# Allegro board PCIE_FIBER_BOARD-1116.brd (continued)
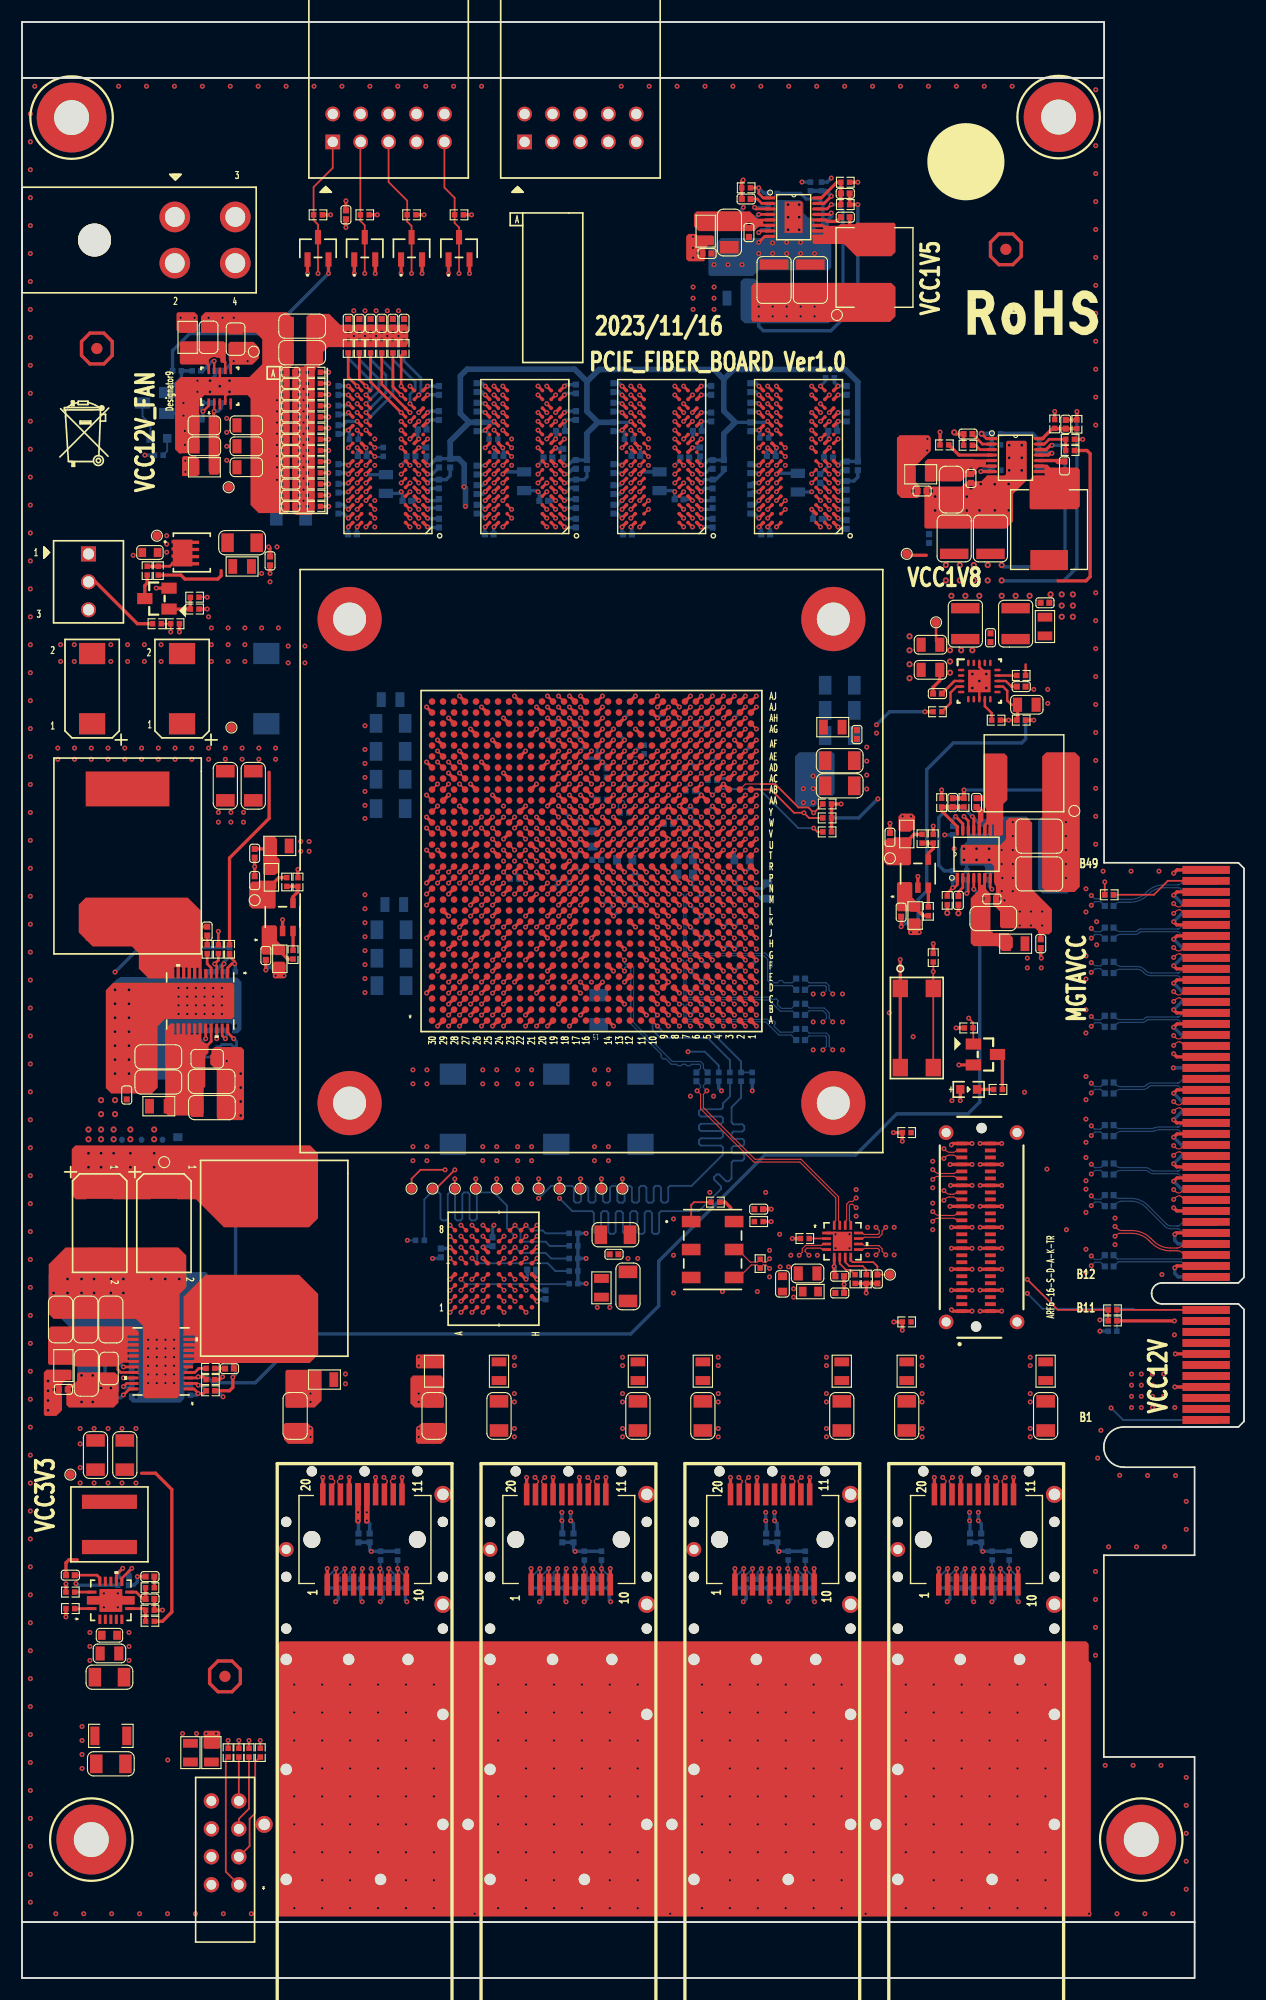
[diagram p0: board, top side]
## Copper pours and planes (outline as drawn; the poured copper is in the pictures) (continued)
GND on ART10: 0.51,172.21 97.92,172.21 97.92,100.86 110.43,100.86 110.64,100.65 110.64,63.9 110.43,63.69 103.68,63.69 102.66,63.27 102.23,62.24 102.23,62.22 102.66,61.19 103.68,60.77 110.43,60.77 110.64,60.56 110.64,50.81 110.43,50.6 100.23,50.6 97.89,48.26 100.23,45.92 106.15,45.92 106.15,38.94 97.89,38.94 97.89,19.58 106.15,19.58 106.15,5.59 0.51,5.59 ; 1 cut-out
VCC1V5 on TOP (solid shape): 16.08,138.09 16.08,136.65 15.96,136.53 14.61,136.53 14.56,136.57 14.56,138.22 14.69,138.34 15.83,138.34
VCC1V5 on TOP (solid shape): 79.46,153.71 79.46,151.04 78.95,150.53 67.04,150.53 67.02,150.55 66.49,150.55 66.37,150.66 66.37,153.84 66.63,154.09 79.07,154.09
VCC1V5 on BOTTOM (solid shape): 67.52,153.58 73.23,153.58 73.61,153.2 73.61,150.66 73.36,150.41 65.74,150.41 65.36,150.79 65.36,154.22 65.61,154.47 66.63,154.47
VCC1V5 on ART10: 13.34,154.43 72.14,154.43 74.55,152.02 74.55,149 73.5,147.96 20.19,147.96 16,143.76 16,136.78 15.24,136.02 11.68,136.02 11.68,152.78
VCC1V5_FPGA on BOTTOM: 61.37,117.8 61.37,115.39 62.01,114.75 62.89,114.75 63.02,114.63 63.02,111.83 63.15,111.7 64.16,111.7 65.18,112.72 70.31,112.72 70.98,112.05 73.87,112.05 74.12,112.31 74.12,118.15 73.74,118.53 62.1,118.53
VCC1V5_FPGA on BOTTOM: 64.6,153.84 64.6,150.79 64.34,150.53 60.66,150.53 60.28,150.91 60.28,153.58 60.79,154.09 64.34,154.09
VCC1V5_FPGA on POWR06: 28.93,154.05 77.87,154.05 82.04,149.88 82.04,109.07 79.14,106.17 69.22,106.17 69.09,106.14 69,106.05 47.46,106.05 47.37,106.14 47.24,106.17 44.56,106.17 36.83,113.9 36.83,121.67 36.81,121.76 36.76,121.85 24.77,133.84 24.77,149.88
VCC1V5_MGT on TOP (solid shape): 96.21,110.98 96.21,99.19 95.74,98.72 93.17,98.72 92.79,99.1 92.79,111.04 93.17,111.42 95.78,111.42
VCC1V5_MGT on BOTTOM (solid shape): 95.33,105.45 95.33,98.84 95.08,98.59 92.79,98.59 92.41,98.97 92.41,105.19 92.79,105.58 95.2,105.58
VCC1V5_MGT on TOP: 93.17,124.47 93.02,124.32 92.44,124.32 92.28,124.17 92.28,123.33 92.36,123.25 95.44,123.25 95.89,123.7 95.89,125.86 95.63,126.11 93.34,126.11 93.17,125.94 ; 1 cut-out
VCC1V5_MGT on ART08: 90.93,98.42 96.14,98.42 97.28,99.57 97.28,125.48 96.27,126.49 87.12,126.49 85.22,124.59 85.22,104.14
VCC1V8 on TOP: 51.44,68.45 53.09,68.45 53.72,67.82 53.72,63.12 53.47,62.86 51.31,62.86 51.05,63.12 51.05,68.07
VCC1V8 on TOP: 74.3,114.81 77.85,114.81 78.11,114.55 78.11,113.16 77.98,113.03 74.3,113.03 74.17,113.16 74.17,114.68
VCC1V8 on TOP: 81.36,127.04 81.74,126.66 89.32,126.66 89.41,126.75 94.44,126.75 95.2,127.51 95.2,130.09 94.48,130.81 81.79,130.81 81.36,130.38
VCC1V8 on BOTTOM: 40.85,119.55 75.01,119.55 80.6,125.13 88.73,125.13 89.36,125.77 89.36,129.58 89.34,129.6 89.34,129.99 88.65,130.68 81.15,130.68 81.11,130.72 77.17,130.72 76.79,130.34 76.15,130.34 76.03,130.47 43.01,130.47 40.55,128.02 33.78,128.02 31.24,125.48 31.24,115.7 31.5,115.44 33.15,115.44 33.4,115.7 33.4,117.86 35.11,119.57 40.83,119.57
VCC1V8 on ART05: 26.42,170.05 85.6,170.05 94.61,161.04 94.61,91.04 75.21,71.63 66.27,71.63 57.43,62.79 50.37,62.79 50.16,62.99 50.16,79.25 57.81,86.89 65.05,86.89 77.47,99.31 77.47,115.82 79.38,117.73 79.38,121.41 83.06,125.09 83.06,146.05 75.31,153.8 24.77,153.8 24.26,154.31 24.26,167.89
VCC1V8_FPGA on BOTTOM: 33.99,115.57 33.99,116.92 34.67,117.6 47.12,117.6 47.3,117.42 47.3,112.28 48.16,111.42 48.16,100.61 47.5,99.95 46.1,99.95 45.21,100.84 43.31,100.84 43.05,100.58 43.05,99.82 43.56,99.31 44.7,99.31 45.09,98.93 45.09,95.25 44.2,94.36 39.88,94.36 38.48,95.76 38.48,97.54 34.32,101.7 34.32,115.24
VCC1V8_FPGA on ART03: 58.5,108.5 58.5,107.99 56.6,106.08 49.6,106.08 49.34,106.34 49.34,110.53 48.71,111.16 43.56,111.16 43.56,111 42.42,109.86 42.42,105.96 43.05,105.32 46.42,105.32 46.47,105.27 47.79,105.27 48.3,104.75 48.3,102.91 48.93,102.27 50.5,102.27 51.01,101.77 58.67,101.77 59.31,102.4 59.31,103.76 60.58,105.03 61.04,105.03 61.29,105.28 61.29,107.35 61.93,107.99 61.93,108.07 61.23,108.76 61.23,108.84 60.94,109.13 59.14,109.13
VCC2V5 on TOP (solid shape): 23.19,103.54 23.19,101.91 23.45,101.66 23.45,100.43 23.36,100.43 23.2,100.4 23.07,100.31 23.02,100.26 22.05,100.26 21.92,100.39 21.92,103.61 22.1,103.78 22.67,103.78 22.69,103.8 22.94,103.8
VCC3V3 on TOP (solid shape): 15.98,151.14 15.98,149.8 15.73,149.54 14.3,149.54 14.05,149.8 14.05,151.3 14.18,151.42 15.7,151.42
VCC3V3 on TOP (solid shape): 38.37,56.55 38.37,55.54 38.24,55.41 35.96,55.41 35.83,55.54 35.83,56.55 35.96,56.68 38.24,56.68
VCC3V3 on TOP (solid shape): 23.96,92.26 23.96,90.99 23.83,90.86 22.94,90.86 22.81,90.99 22.81,92.26 22.94,92.39 23.83,92.39
VCC3V3 on TOP (solid shape): 81.74,96.2 81.74,94.93 81.61,94.8 80.73,94.8 80.6,94.93 80.6,96.2 80.73,96.32 81.61,96.32
VCC3V3 on TOP: 61.17,56.68 63.45,56.68 63.58,56.55 63.58,55.54 63.45,55.41 61.17,55.41 61.04,55.54 61.04,56.55
VCC3V3 on TOP: 68.79,62.9 71.33,62.9 71.45,62.78 71.45,61.89 71.07,61.51 68.91,61.51 68.66,61.76 68.66,62.78
VCC3V3 on TOP: 75.33,56.68 73.04,56.68 72.91,56.55 72.91,55.54 73.04,55.41 75.33,55.41 75.45,55.54 75.45,56.55
VCC3V3 on TOP: 79.71,56.68 81.99,56.68 82.12,56.55 82.12,55.54 81.99,55.41 79.71,55.41 79.58,55.54 79.58,56.55
VCC3V3 on TOP: 27.89,55.28 29.67,55.28 29.8,55.16 29.8,53.51 29.67,53.38 28.02,53.38 27.77,53.63 27.77,55.16
VCC3V3 on TOP: 14.35,20.83 16,20.83 16.26,21.08 16.26,22.35 16.13,22.48 14.35,22.48 14.22,22.35 14.22,20.95
VCC3V3 on TOP: 56.78,56.68 54.5,56.68 54.37,56.55 54.37,55.54 54.5,55.41 56.78,55.41 56.91,55.54 56.91,56.55
VCC3V3 on TOP: 93.87,56.68 91.58,56.68 91.45,56.55 91.45,55.54 91.58,55.41 93.87,55.41 93.99,55.54 93.99,56.55
VCC3V3 on TOP: 4.14,42.71 4.14,46.65 4.53,47.03 10.49,47.03 11.13,46.39 11.13,42.84 10.62,42.33 4.53,42.33
VCC3V3 on TOP: 42.63,56.68 44.91,56.68 45.04,56.55 45.04,55.54 44.91,55.41 42.63,55.41 42.5,55.54 42.5,56.55
VCC3V3 on BOTTOM: 80.26,95.25 84.71,95.25 86.49,93.47 86.49,80.14 85.72,79.38 80.39,79.38 79.76,80.01 79.76,94.74
VCC3V3 on BOTTOM: 30.94,96.69 30.81,96.81 30.81,98.59 31.07,98.84 33.1,98.84 33.48,98.46 33.48,96.94 33.23,96.69
VCC3V3 on ART05: 67.06,69.85 72.52,69.85 83.69,81.03 95.63,81.03 98.3,78.36 98.3,52.96 96.01,50.67 96.01,36.07 90.42,30.48 26.92,30.48 17.53,21.08 11.56,21.08 3.94,28.7 3.94,146.81 9.4,152.27 17.53,152.27 20.57,149.23 20.57,105.03 26.29,99.31 30.99,99.31 31.75,98.55 31.75,62.36 37.47,56.64 53.85,56.64 ; 1 cut-out
VCC3V3_C_BUF1 on TOP: 71.96,61.89 74.12,61.89 74.25,62.01 74.25,64.68 73.99,64.94 71.96,64.94 71.71,64.68 71.71,62.14
VCC3V3_FPGA on BOTTOM: 34.24,98.21 34.37,98.34 35.39,98.34 35.43,98.3 37.21,98.3 38.23,97.28 38.23,95.5 39.62,94.11 45.47,94.11 46.35,95 46.48,95 46.48,95.76 47.81,97.09 50.25,97.09 51.23,96.11 51.23,86.17 50.65,85.6 35.31,85.6 34.24,86.66
VCC3V3_FPGA on ART05: 37.47,115.95 47.5,115.95 49.78,113.66 49.78,93.34 48.9,92.46 44.7,92.46 41.78,95.38 41.78,104.01 36.58,109.22 36.58,115.06
VCC12V_FAN on TOP: 13.92,129.07 13.8,128.95 12.01,128.95 11.89,129.06 11.89,131.36 12.02,131.48 14.05,131.48 14.3,131.23 14.3,129.2 14.18,129.07
VCC12V_FAN on ART10: 5.46,131.95 12.83,131.95 13.46,131.32 13.46,128.52 12.83,127.89 5.84,127.89 5.21,128.52 5.21,131.7
VCC12V_IN on TOP (solid shape): 82.66,140.03 82.66,138.82 81.23,137.4 81.23,136.06 81.67,135.62 81.67,134.71 81.49,134.53 79.96,134.53 79.58,134.91 79.58,135.01 81.41,135.01 81.41,135.32 80.9,135.32 80.9,135.01 79.58,135.01 79.58,139.99 79.83,140.24 82.46,140.24
VCC12V_IN on TOP (solid shape): 61.42,158.41 62.82,158.41 62.95,158.28 62.95,157.57 62.87,157.49 62.39,157.49 62.23,157.34 62.23,157.29 62.11,157.16 62.11,156.15 62.01,156.05 60.61,156.05 60.41,156.25 60.41,156.66 61.88,156.66 61.88,156.96 61.37,156.96 61.37,156.66 60.41,156.66 60.41,158.33 60.61,158.54 61.29,158.54
VCC12V_IN on TOP (solid shape): 4.51,55.22 4.51,54.42 4.41,54.32 4.07,54.32 4.05,54.31 3.93,54.31 3.64,54.02 3.64,53.97 3.62,53.94 3.6,53.9 3.59,53.85 3.58,53.81 3.58,53.79 3.58,53.23 3.58,53.2 3.59,53.15 3.6,53.1 3.63,53.06 3.64,53.04 3.64,51.61 3.13,51.09 2.11,51.09 1.99,51.22 1.99,53.33 3.31,53.33 3.31,53.63 2.8,53.63 2.8,53.33 1.99,53.33 1.99,55.05 2.24,55.3 4.42,55.3
VCC12V_IN on TOP: 91.95,94.78 90.94,94.78 90.81,94.65 90.81,92.59 90.81,92.58 90.81,92.08 91.32,91.56 92.71,91.56 93.1,91.95 93.1,92.83 92.96,92.96 92.33,92.96 92.08,93.21 92.08,94.65
VCC12V_IN on TOP: 12.19,79.88 12.19,78.49 11.81,78.11 7.24,78.11 6.86,78.49 6.86,79.76 7.24,80.14 11.94,80.14
VCC12V_IN on TOP: 109.86,53.03 109.86,52.59 109.65,52.37 105.58,52.37 105.54,52.34 105.54,52.11 105.56,52.09 109.82,52.09 109.86,52.04 109.86,51.42 109.81,51.37 105.56,51.37 105.53,51.34 105.53,51.13 105.56,51.09 109.83,51.09 109.86,51.06 109.86,50.69 109.77,50.6 100.66,50.6 100.54,50.72 100.54,53 100.54,53 100.54,55.08 100.84,55.37 103.89,55.37 104.27,54.99 104.27,53.34 104.48,53.12 109.76,53.12
VCC12V_IN on TOP: 7.95,26.71 7.95,32.93 8.08,33.06 9.48,33.06 9.99,32.55 9.99,26.58 9.73,26.33 8.34,26.33
VCC12V_IN on TOP: 20.27,128.94 20.53,129.2 21.8,129.2 22.05,128.94 22.05,128.05 22.18,127.93 23.19,127.93 23.32,127.8 23.32,126.83 23.11,126.62 20.57,126.62 20.27,126.92
VCC12V_IN on BOTTOM: 100.84,55.37 103.89,55.37 104.27,54.99 104.27,53.34 104.52,53.09 109.73,53.09 109.86,52.96 109.22,52.32 105.54,52.32 105.54,52.07 109.73,52.07 109.86,51.94 109.86,51.43 109.73,51.31 100.58,51.31 100.46,51.43 100.46,54.99
VCC12V_IN on ART03: 9.45,170.4 90.04,170.4 96.9,163.53 96.9,100.97 102.11,95.76 102.13,95.76 102.13,60.67 102.99,59.8 107.88,59.8 109.13,58.55 109.13,51.55 108.17,50.6 100.23,50.6 99.76,50.55 99.32,50.41 95.55,50.41 92.67,53.29 92.67,86.93 81.53,98.07 81.53,106.68 80.64,107.57 80.54,107.57 80.54,132.42 77.77,135.19 77.77,146.63 69.8,154.6 30.58,154.6 23.72,147.74 23.72,126.32 19.1,121.7 19.1,35.53 11.8,28.23 4.32,28.23 1.68,30.87 1.68,162.63 ; 7 cut-outs
VCC_2V5_FPGA on TOP: 23.75,103.63 26.54,103.63 26.67,103.5 26.67,102.11 26.42,101.85 23.88,101.85 23.62,102.11 23.62,103.5
VCC_2V5_FPGA on BOTTOM: 52.07,96.14 56.52,96.14 57.28,95.38 57.15,95.25 57.15,90.68 57.91,89.92 57.91,89.28 57.78,89.15 56.52,89.15 56.13,89.53 56.13,92.46 55.63,92.96 54.48,92.96 54.1,92.58 54.1,91.19 55.12,90.17 55.12,88.39 54.61,87.88 54.1,87.88 53.34,88.65 51.56,88.65 51.44,88.77 51.44,95.5
VCC_2V5_FPGA on ART05: 57.59,95.82 58.31,95.11 58.31,88.41 51.82,81.91 34.8,81.91 32.26,84.45 32.26,99.06 31.62,99.69 26.67,99.69 24.26,102.11 24.26,106.3 25.15,107.19 37.47,107.19 37.47,107.31 38.1,107.31 41.4,104.01 41.4,94.87 44.32,91.95 48.77,91.95 52.64,95.82
VCCAUX on BOTTOM (solid shape): 73.91,111.25 73.91,107.65 73.74,107.48 72.6,107.48 72.34,107.23 72.34,106.72 72.09,106.46 70.57,106.46 70.31,106.72 70.31,111.04 70.69,111.42 73.74,111.42
VCCAUX on TOP: 73.11,114.59 71.33,114.59 70.57,113.83 70.57,106.97 70.95,106.59 72.09,106.59 72.34,106.85 72.34,107.23 72.47,107.35 73.61,107.35 73.87,107.61 73.87,111.93 73.36,112.43 73.36,114.34
VCCAUX on BOTTOM: 53.04,103.8 51.52,103.8 51.39,103.92 51.39,105.7 51.64,105.96 53.29,105.96 53.55,105.7 53.55,103.8 53.42,103.67 53.17,103.67
VCCAUX on BOTTOM: 59.14,87.92 57.61,87.92 57.48,88.05 57.48,88.81 57.61,88.94 57.99,88.94 58.16,89.11 58.16,90.55 58.12,90.59 58.12,95.38 57.1,96.39 57.1,103.87 56.47,104.51 56.47,104.94 56.6,105.07 57.48,105.07 57.61,104.94 57.61,104.43 57.99,104.05 58.5,104.05 59.14,103.42 59.14,101.26 59.39,101 59.39,91.35 59.9,90.84 59.9,89.19 59.39,88.68 59.39,88.18
VCCAUX on ART05: 72.01,109.6 74.04,109.6 74.17,109.47 74.17,101.73 72.41,99.96 59.45,99.96 57.92,98.43 57.92,98.4 57.82,98.3 52.7,98.3 51.44,99.57 51.44,105.54 51.82,105.92 61.09,105.92 61.34,105.66 70.1,105.66 70.61,106.17 70.61,108.2
VCCINT_FPGA on TOP: 14.3,106.08 2.49,106.08 1.99,106.59 1.99,114.21 2,114.22 2,114.55 2.42,114.98 23.26,114.98 23.58,114.66 23.58,109.64 22.94,109 17.23,109
VCCINT_FPGA on BOTTOM: 57.33,83.44 57.54,83.23 57.54,81.3 57.39,81.15 35.18,81.15 34.92,81.41 34.92,83.19 35.18,83.44
VCCINT_FPGA on BOTTOM: 1.99,110.92 2.67,110.24 23.62,110.24 23.88,110.49 23.88,114.68 23.62,114.94 2.41,114.94 1.99,114.51
VCCINT_FPGA on POWR06: 3.41,113.54 36.47,113.54 44.27,105.74 44.35,105.68 44.45,105.66 47.24,105.66 47.37,105.7 47.46,105.79 57.4,105.79 58.04,105.16 58.04,98.44 53.67,94.07 53.61,93.99 53.59,93.89 53.59,81.26 53.11,80.77 3.3,80.77 2.79,81.28 2.79,112.92
(no net) on TOP: 62.82,158.41 61.42,158.41 61.29,158.54 60.61,158.54 60.41,158.33 60.41,156.25 60.61,156.05 62.01,156.05 62.23,156.27 62.23,157.34 62.39,157.49 62.87,157.49 62.95,157.57 62.95,158.28 ; 1 cut-out
(no net) on TOP: 2.63,59.23 10.1,59.23 10.59,58.74 10.59,58.42 9.65,58.42 9.6,58.37 9.6,58.24 9.65,58.19 10.59,58.19 10.59,57.91 9.69,57.91 9.64,57.86 9.64,57.75 9.69,57.7 10.6,57.7 10.6,57.41 9.64,57.41 9.59,57.35 9.59,57.24 9.64,57.19 10.6,57.19 10.6,56.91 9.65,56.91 9.6,56.86 9.6,56.73 9.65,56.68 10.59,56.68 10.59,56.41 9.66,56.41 9.61,56.36 9.61,56.23 9.66,56.18 10.6,56.18 10.6,56.16 10.62,56.14 10.62,55.96 10.58,55.92 9.11,55.92 8.77,55.58 4.88,55.58 4.72,55.74 2.49,55.74 2.37,55.86 2.37,58.97
(no net) on TOP: 92.79,99.1 92.79,111.04 93.17,111.42 95.78,111.42 96.21,110.98 96.21,99.19 95.74,98.72 93.17,98.72
(no net) on TOP: 79.07,154.09 79.46,153.71 79.46,151.04 78.95,150.53 67.04,150.53 67.02,150.55 66.49,150.55 66.37,150.66 66.37,153.84 66.63,154.09
(no net) on TOP: 8.53,55.06 5.14,55.06 5.01,54.93 5.01,54.29 4.73,54.02 4.19,54.02 4.03,53.86 4.03,52.1 4.27,51.85 8.34,51.85 8.78,52.3 8.78,54.8 ; 1 cut-out
(no net) on TOP: 38.12,54.78 35.58,54.78 35.32,54.52 35.32,52.24 35.7,51.85 38.24,51.85 38.37,51.98 38.37,54.52
(no net) on TOP: 71.99,158.46 72.82,158.46 72.9,158.53 72.9,158.58 72.82,158.66 71.89,158.66 71.89,158.96 72.8,158.96 72.88,159.03 72.88,159.08 72.8,159.15 72.01,159.15 71.91,159.26 71.91,159.37 71.96,159.42 75.77,159.42 75.9,159.55 79.33,159.55 79.46,159.42 79.46,156.88 79.07,156.5 75.87,156.5 74.76,157.62 72.01,157.62 71.91,157.72 71.91,158.38
(no net) on TOP: 26.62,51.85 24.08,51.85 23.96,51.98 23.96,55.16 24.08,55.28 27.13,55.28 27.26,55.16 27.26,52.49
(no net) on TOP: 17.12,84.24 17.12,83.08 17.71,82.48 17.71,78.43 17.72,78.42 17.72,78.17 17.91,77.98 20.07,77.98 20.19,78.11 20.19,84.37 19.94,84.62 17.5,84.62
(no net) on TOP: 24.34,146.34 24.34,133.39 24.11,133.16 21.52,133.16 20.78,133.9 20.78,143.6 20.5,143.88 16.59,143.88 16.13,143.42 16.13,138.9 15.8,138.57 14.3,138.57 13.92,138.95 13.92,145 14.46,145.53 20.68,145.53 21.85,146.7 21.85,148.97 21.26,149.55 16.3,149.55 16.29,149.57 16.29,151.04 16.67,151.42 24.08,151.42 24.72,150.79 24.72,146.72 ; 13 cut-outs
(no net) on TOP: 61.37,160.59 66.2,160.59 66.81,159.98 68.41,159.98 68.48,159.91 68.48,159.72 68.44,159.68 67.47,159.68 67.4,159.6 67.4,159.54 67.47,159.46 68.42,159.46 68.48,159.4 68.48,159.22 68.41,159.14 67.14,159.14 66.78,158.79 61.55,158.79 61.12,159.22 61.12,160.34 ; 1 cut-out
(no net) on TOP: 86.29,94.07 86.29,98.16 86.9,98.77 86.9,100.37 86.97,100.45 87.16,100.45 87.2,100.4 87.2,99.43 87.28,99.36 87.35,99.36 87.42,99.43 87.42,100.38 87.48,100.45 87.66,100.45 87.74,100.37 87.74,99.1 88.09,98.74 88.09,95.24 88.35,94.98 89.72,94.98 90.12,94.58 90.12,93.69 89.82,93.38 89.13,93.38 88.73,93.79 86.57,93.79 ; 1 cut-out
(no net) on TOP: 16.35,96.94 16.35,90.86 16.1,90.86 16.07,90.89 16.07,91.78 16.02,91.83 15.9,91.83 15.85,91.78 15.85,90.89 15.83,90.86 15.57,90.86 15.57,91.76 15.52,91.82 15.4,91.82 15.35,91.76 15.35,90.86 15.09,90.86 15.06,90.89 15.06,91.8 15.01,91.85 14.9,91.85 14.85,91.8 14.85,90.87 14.85,90.86 14.59,90.86 14.56,90.89 14.56,91.83 14.51,91.88 14.4,91.88 14.35,91.83 14.35,90.89 14.32,90.86 14.09,90.86 14.07,90.88 14.07,91.83 14.02,91.89 13.9,91.89 13.84,91.83 13.84,90.88 13.83,90.86 11.51,90.86 10.62,91.75 10.62,93.13 9.99,93.76 6.43,93.76 5.16,95.03 5.16,97.57 5.8,98.21 15.08,98.21
(no net) on TOP: 30.36,45 30.76,45 30.81,44.94 30.81,41.44 30.69,41.31 30.43,41.31 30.31,41.44 30.31,44.95
(no net) on TOP: 79.71,104.32 79.71,105.59 79.96,105.85 80.98,105.85 81.23,105.59 81.23,104.32 81.11,104.2 79.84,104.2
(no net) on TOP: 16.7,63.92 25.2,63.92 26.94,62.18 26.94,56.67 26.17,55.9 14.71,55.9 14.71,56.16 14.73,56.18 15.62,56.18 15.67,56.23 15.67,56.35 15.62,56.4 14.73,56.4 14.71,56.43 14.71,56.68 15.61,56.68 15.66,56.74 15.66,56.86 15.61,56.91 14.71,56.91 14.71,57.17 14.73,57.19 15.64,57.19 15.69,57.24 15.69,57.36 15.64,57.41 14.71,57.41 14.71,57.4 14.71,57.66 14.73,57.69 15.67,57.69 15.72,57.74 15.72,57.86 15.67,57.91 14.73,57.91 14.71,57.94 14.71,58.17 14.72,58.19 15.68,58.19 15.73,58.24 15.73,58.36 15.68,58.41 14.72,58.41 14.71,58.43 14.71,61.21 14.69,61.91
(no net) on TOP: 31.57,45 31.15,45 31.11,44.96 31.11,41.4 31.2,41.31 31.45,41.31 31.62,41.48 31.62,44.95
(no net) on TOP: 23.96,50.46 25.99,50.46 26.51,49.94 26.51,48.7 26.36,48.55 24.21,48.55 23.83,48.93 23.83,50.33
(no net) on TOP: 4.91,70.78 15.83,70.78 18.37,68.24 26.11,68.24 26.93,69.05 26.93,74.97 26.2,75.69 4.87,75.69 4.53,75.35 4.53,71.16
(no net) on TOP: 4.42,55.3 2.24,55.3 1.99,55.05 1.99,51.22 2.11,51.09 3.13,51.09 3.64,51.61 3.64,54.02 3.93,54.31 4.4,54.31 4.51,54.42 4.51,55.22 ; 1 cut-out
(no net) on TOP: 81.74,94.93 81.74,96.2 81.61,96.32 80.73,96.32 80.6,96.2 80.6,94.93 80.73,94.8 81.61,94.8
(no net) on TOP: 13.02,78.66 13.02,86.26 13.52,86.75 13.84,86.75 13.84,85.81 13.89,85.76 14.02,85.76 14.07,85.81 14.07,86.75 14.34,86.75 14.34,85.85 14.39,85.79 14.51,85.79 14.56,85.85 14.56,86.76 14.85,86.76 14.85,85.8 14.9,85.75 15.02,85.75 15.07,85.8 15.07,86.76 15.34,86.76 15.34,85.81 15.39,85.76 15.52,85.76 15.57,85.81 15.57,86.75 15.84,86.75 15.84,85.82 15.9,85.77 16.03,85.77 16.08,85.82 16.08,86.76 16.09,86.76 16.11,86.78 16.29,86.78 16.34,86.74 16.34,85.13 16.59,85.13 16.97,84.75 16.97,84.11 16.68,83.82 16.68,81.03 16.52,80.88 16.52,78.65 16.27,78.4 13.29,78.4
(no net) on TOP: 14.05,149.8 14.05,151.3 14.18,151.42 15.7,151.42 15.98,151.14 15.98,149.8 15.73,149.54 14.3,149.54
(no net) on TOP: 12.34,80.92 12.34,86.54 12.97,87.16 19.09,87.16 19.3,87.38 19.3,90.3 19.14,90.46 8.29,90.46 7.62,89.79 7.62,80.9 8.13,80.39 11.81,80.39
(no net) on TOP: 38.24,56.68 35.96,56.68 35.83,56.55 35.83,55.54 35.96,55.41 38.24,55.41 38.37,55.54 38.37,56.55
(no net) on TOP: 79.58,97.09 79.58,99.5 79.71,99.63 80.85,99.63 80.98,99.5 80.98,98.23 81.36,97.85 81.61,97.85 81.74,97.72 81.74,97.09 81.61,96.96 79.71,96.96
(no net) on TOP: 21.8,93.15 21.8,95.56 21.92,95.69 23.07,95.69 23.19,95.56 23.19,94.29 23.58,93.91 23.83,93.91 23.96,93.78 23.96,93.15 23.83,93.02 21.92,93.02
(no net) on TOP: 14.36,148.6 14.36,146.8 14.5,146.66 16.98,146.66 17,146.67 17,147.08 17.19,147.27 17.95,147.27 18.03,147.19 18.03,146.94 18.16,146.81 18.41,146.81 18.54,146.94 18.54,148.59 18.35,148.78 14.53,148.78
(no net) on TOP: 18.8,147.7 18.8,147.7 18.8,146.88 19.03,146.65 20.96,146.65 21.54,147.23 21.54,148.25 21.06,148.73 18.92,148.73 18.92,148.72 18.8,148.59
(no net) on TOP: 20.65,97.47 20.65,99.37 21.04,99.75 23.07,99.75 23.07,97.34 22.94,97.21 20.91,97.21
(no net) on TOP: 85.4,102.88 85.4,101.49 85.58,101.31 88.17,101.31 88.42,101.05 88.42,99.43 88.57,99.28 88.57,98.62 88.32,98.36 88.32,97.57 88.96,96.94 88.96,95.57 89.11,95.42 92.16,95.42 92.41,95.16 92.41,95 92.54,94.87 93.43,94.87 93.68,95.12 93.68,97.17 91.88,98.97 91.88,105.02 91.43,105.46 89.78,105.46 89.49,105.17 89.49,103.49 89.01,103.01 85.53,103.01 ; 1 cut-out
(no net) on TOP: 2.87,59.91 10.38,59.91 11,59.29 11,52.88 11.18,52.7 14.1,52.7 14.3,52.91 14.3,62.14 14.94,62.78 14.94,65.69 14.22,66.41 3.96,66.41 2.43,64.87 2.43,60.36
(no net) on TOP: 87.46,103.92 87.46,111.19 87.58,111.32 89.36,111.32 89.63,111.05 89.63,107.09 89.26,106.72 89.26,103.98 89.11,103.82 88.49,103.82 88.43,103.89 88.43,104.84 88.4,104.86 88.24,104.86 88.22,104.84 88.22,103.87 88.17,103.82 87.98,103.82 87.92,103.88 87.92,104.8 87.89,104.84 87.76,104.84 87.73,104.8 87.73,103.89 87.66,103.82 87.56,103.82
(no net) on TOP: 78.44,101.4 78.44,103.31 78.82,103.69 80.85,103.69 80.85,101.28 80.73,101.15 78.69,101.15
(no net) on TOP: 38.37,50.46 36.34,50.46 35.83,49.95 35.83,48.73 36,48.55 38.12,48.55 38.5,48.93 38.5,50.33
(no net) on TOP: 14.56,136.57 14.61,136.53 15.96,136.53 16.08,136.65 16.08,138.09 15.83,138.34 14.69,138.34 14.56,138.22
(no net) on TOP: 26.62,146.09 27.39,146.85 27.39,147.79 27.84,148.25 34.83,148.25 35.13,148.55 35.13,150.08 34.93,150.28 28.94,150.28 27.94,151.27 26.14,151.27 25.86,150.99 25.86,146.72 25.61,146.47 24.85,146.47 24.59,146.22 24.59,133.26 24.85,133.01 26.37,133.01 26.62,133.26 ; 38 cut-outs
(no net) on TOP: 16.97,141.9 16.97,136.94 17.23,136.69 17.86,136.69 17.99,136.82 17.99,141.77 17.73,142.02 17.1,142.02
(no net) on TOP: 21.92,100.39 21.92,103.61 22.1,103.78 22.67,103.78 22.69,103.8 22.94,103.8 23.19,103.54 23.19,101.91 23.45,101.66 23.45,100.39 23.32,100.26 22.05,100.26
(no net) on TOP: 23.96,90.99 23.96,92.26 23.83,92.39 22.94,92.39 22.81,92.26 22.81,90.99 22.94,90.86 23.83,90.86
(no net) on BOTTOM: 73.23,153.58 67.52,153.58 66.63,154.47 65.61,154.47 65.36,154.22 65.36,150.79 65.74,150.41 73.36,150.41 73.61,150.66 73.61,153.2
(no net) on BOTTOM: 67.01,155.23 66.5,154.72 62.56,154.72 62.44,154.85 62.44,157.01 63.58,158.15 68.2,158.15 68.36,158.31 68.36,161.33 68.64,161.61 70.79,161.61 71.09,161.31 71.09,160.42 71.49,160.03 71.96,160.03 72.09,159.9 72.09,159.17 72.43,158.84 73.23,158.84 73.61,158.45 73.61,155.49 73.36,155.23
(no net) on BOTTOM: 15.1,82.42 15.1,85.73 15.23,85.86 17.18,85.86 17.26,85.95 17.26,86.55 17.51,86.8 18.95,86.8 19.13,86.61 19.13,85.88 19.63,85.88 19.95,86.2 19.95,90.56 19.57,90.94 15.1,90.94 15.05,90.99 8.76,90.99 8.76,90.93 8,90.17 8,82.17 8.51,81.66 14.34,81.66 ; 2 cut-outs
(no net) on BOTTOM: 2.39,61.1 5.03,58.46 5.03,52.49 5.2,52.32 6.63,52.32 6.92,52.61 6.92,53.17 7.1,53.36 8.24,53.36 8.37,53.48 8.37,53.79 8.26,53.9 7.18,53.9 6.93,54.16 6.93,56.54 7.54,57.16 9.58,57.16 9.7,57.03 9.7,55.08 9.79,54.99 10.39,54.99 10.64,54.75 10.64,53.31 10.46,53.12 9.72,53.12 9.72,52.63 10.04,52.3 14.4,52.3 14.78,52.68 14.78,55 17.61,57.82 17.61,63.28 16.72,64.17 2.65,64.17 2.39,63.92 ; 2 cut-outs
(no net) on BOTTOM: 88.85,98.59 88.73,98.72 88.73,100.19 88.52,100.39 87.69,100.39 87.61,100.47 87.61,100.95 87.44,101.12 85.42,101.12 85.3,101.25 85.3,102.68 85.96,103.35 85.96,103.92 86.09,104.05 87.97,104.05 88.22,104.31 88.22,105.32 88.47,105.58 91.39,105.58 91.65,105.32 91.65,98.97 91.27,98.59
(no net) on BOTTOM: 92.41,105.19 92.41,98.97 92.79,98.59 95.08,98.59 95.33,98.84 95.33,105.45 95.2,105.58 92.79,105.58
MGTAVCC on TOP (solid shape): 26.93,74.97 26.93,69.05 26.11,68.24 18.37,68.24 15.83,70.78 14.1,70.78 14.1,70.85 11.71,70.85 11.71,70.78 8.26,70.78 8.26,70.85 5.87,70.85 5.87,70.78 4.91,70.78 4.53,71.16 4.53,75.35 4.87,75.69 26.2,75.69
MGTAVCC on BOTTOM: 14.86,75.31 14.61,75.56 5.97,75.56 5.59,75.18 5.59,72.64 6.06,72.17 14.35,72.17 14.57,72.39 14.61,72.39 14.86,72.64
MGTAVCC on ART05: 64.23,87.41 60.01,87.41 59.92,87.32 58.94,87.32 58.61,87.65 58.61,98.41 59.93,99.74 67.01,99.74 67.69,99.07 67.69,90.86
MGTAVCC on POWR06: 59.18,100.2 61.74,100.2 61.98,99.97 61.98,88.39 62,88.29 62.05,88.21 64.9,85.37 64.9,70.84 59.84,65.79 4.93,65.79 2.79,67.92 2.79,79.5 3.56,80.26 53.21,80.26 53.31,80.28 53.39,80.34 54.03,80.97 54.08,81.06 54.1,81.15 54.1,93.79 58.47,98.16 58.53,98.24 58.55,98.34 58.55,99.57 ; 1 cut-out
MGTAVTT on TOP: 87.1,121.22 86.69,120.82 86.69,119.32 86.62,119.24 86.52,119.24 86.47,119.29 86.47,119.93 86.19,119.93 86.19,119.29 86.14,119.24 85.88,119.24 85.73,119.09 85.73,118.78 85.04,118.78 85.04,118.5 85.68,118.5 85.73,118.45 85.73,118.38 85.63,118.28 83.29,118.28 83.06,118.5 83.06,121.81 83.44,122.19 86.9,122.19 87.1,121.98
MGTAVTT on POWR06: 83.31,123.06 94,123.06 96.39,120.67 96.39,92.31 89.81,85.72 65.26,85.72 62.48,88.5 62.48,100.08 62.46,100.17 62.41,100.26 62.03,100.64 61.95,100.69 61.85,100.71 59.05,100.71 58.55,101.22 58.55,105.16 59.18,105.79 69,105.79 69.09,105.7 69.22,105.66 79.25,105.66 79.35,105.68 79.43,105.74 82.48,108.79 82.53,108.87 82.55,108.97 82.55,122.3
MGTVCCAUX on TOP (solid shape): 81.23,105.59 81.23,104.37 81.14,104.37 80.99,104.34 80.86,104.25 80.8,104.2 79.84,104.2 79.71,104.32 79.71,105.59 79.96,105.85 80.98,105.85
MGTVCCAUX on ART03: 60.71,104.77 74.17,104.77 75.82,106.43 80.39,106.43 81.03,105.79 81.03,103 78.23,100.2 60.45,100.2 60.45,104.52
PCIE_VCC3V3 on TOP: 104.52,60.2 105.03,60.2 105.16,60.07 105.16,58.42 105.41,58.17 109.86,58.17 109.98,58.04 109.98,57.4 109.86,57.28 104.9,57.28 104.39,57.78 104.39,60.07
PCIE_VCC3V3 on BOTTOM: 104.78,60.2 109.86,60.2 109.98,60.07 109.98,59.46 109.89,59.37 105.52,59.37 105.47,59.32 105.43,59.28 105.43,59.12 105.49,59.05 109.86,59.05 109.98,58.93 109.98,58.42 109.86,58.29 104.66,58.29 104.58,58.37 104.58,60.01
VTTDDR on TOP (solid shape): 28.94,150.28 34.93,150.28 35.13,150.08 35.13,148.55 34.83,148.25 27.84,148.25 27.39,147.79 27.39,146.85 26.97,146.44 26.93,146.42 26.88,146.42 26.84,146.41 26.8,146.4 26.77,146.37 26.74,146.35 26.72,146.31 26.7,146.28 26.69,146.24 26.69,146.18 26.67,146.14 26.62,146.09 26.62,133.26 26.37,133.01 24.85,133.01 24.59,133.26 24.59,133.62 26.32,133.62 26.32,133.9 25.81,133.9 25.81,133.62 24.59,133.62 24.59,133.64 25.39,133.64 25.39,133.92 24.88,133.92 24.88,133.64 24.59,133.64 24.59,134.63 26.32,134.63 26.32,134.91 25.81,134.91 25.81,134.63 24.59,134.63 24.59,134.66 25.39,134.66 25.39,134.94 24.88,134.94 24.88,134.66 24.59,134.66 24.59,135.65 26.32,135.65 26.32,135.93 25.81,135.93 25.81,135.65 24.59,135.65 24.59,135.67 25.39,135.67 25.39,135.95 24.88,135.95 24.88,135.67 24.59,135.67 24.59,136.67 26.32,136.67 26.32,136.94 25.81,136.94 25.81,136.67 24.59,136.67 24.59,136.69 25.39,136.69 25.39,136.97 24.88,136.97 24.88,136.69 24.59,136.69 24.59,137.68 26.32,137.68 26.32,137.96 25.81,137.96 25.81,137.68 24.59,137.68 24.59,137.7 25.39,137.7 25.39,137.98 24.88,137.98 24.88,137.7 24.59,137.7 24.59,138.7 26.32,138.7 26.32,138.98 25.81,138.98 25.81,138.7 24.59,138.7 24.59,138.72 25.39,138.72 25.39,139 24.88,139 24.88,138.72 24.59,138.72 24.59,139.71 26.32,139.71 26.32,139.99 25.81,139.99 25.81,139.71 24.59,139.71 24.59,139.74 25.39,139.74 25.39,140.02 24.88,140.02 24.88,139.74 24.59,139.74 24.59,140.73 26.32,140.73 26.32,141.01 25.81,141.01 25.81,140.73 24.59,140.73 24.59,140.75 25.39,140.75 25.39,141.03 24.88,141.03 24.88,140.75 24.59,140.75 24.59,141.75 26.32,141.75 26.32,142.02 25.81,142.02 25.81,141.75 24.59,141.75 24.59,141.77 25.39,141.77 25.39,142.05 24.88,142.05 24.88,141.77 24.59,141.77 24.59,142.76 26.32,142.76 26.32,143.04 25.81,143.04 25.81,142.76 24.59,142.76 24.59,142.78 25.39,142.78 25.39,143.06 24.88,143.06 24.88,142.78 24.59,142.78 24.59,143.78 26.32,143.78 26.32,144.06 25.81,144.06 25.81,143.78 24.59,143.78 24.59,143.8 25.39,143.8 25.39,144.08 24.88,144.08 24.88,143.8 24.59,143.8 24.59,144.79 26.32,144.79 26.32,145.07 25.81,145.07 25.81,144.79 24.59,144.79 24.59,144.82 25.4,144.82 25.4,145.1 24.9,145.1 24.9,144.82 24.59,144.82 24.59,145.81 26.32,145.81 26.32,146.09 25.81,146.09 25.81,145.81 24.59,145.81 24.59,145.83 25.39,145.83 25.39,146.11 24.88,146.11 24.88,145.83 24.59,145.83 24.59,146.22 24.85,146.47 25.61,146.47 25.86,146.72 25.86,148.55 34.88,148.55 34.88,149.04 34.62,149.04 34.62,148.55 33.86,148.55 33.86,149.04 33.61,149.04 33.61,148.55 32.85,148.55 32.85,149.04 32.59,149.04 32.59,148.55 31.83,148.55 31.83,149.04 31.58,149.04 31.58,148.55 30.81,148.55 30.81,149.04 30.56,149.04 30.56,148.55 29.8,148.55 29.8,149.04 29.54,149.04 29.54,148.55 25.86,148.55 25.86,149.49 34.88,149.49 34.88,149.98 34.62,149.98 34.62,149.49 33.86,149.49 33.86,149.98 33.61,149.98 33.61,149.49 32.85,149.49 32.85,149.98 32.59,149.98 32.59,149.49 31.83,149.49 31.83,149.98 31.58,149.98 31.58,149.49 30.81,149.49 30.81,149.98 30.56,149.98 30.56,149.49 29.8,149.49 29.8,149.98 29.54,149.98 29.54,149.49 25.86,149.49 25.86,150.99 26.14,151.27 27.94,151.27
VTTDDR on TOP: 19.64,142.79 18.01,142.79 17.89,142.66 17.89,142.3 18.29,141.9 18.29,135.25 18.54,135 19.56,135 19.94,135.39 19.94,142.48
